# Altium PCB CYAN_EVSE_Power_board_v1.0.PcbDoc
Units mil, origin at the board's own origin, x right, y up, seen from the top; angles counter-clockwise.
Board outline 5708.66 x 2165.35 mil, 2 copper layers (Top Layer, Bottom Layer); 45 components, 21 nets, 134 pads, 7 vias.
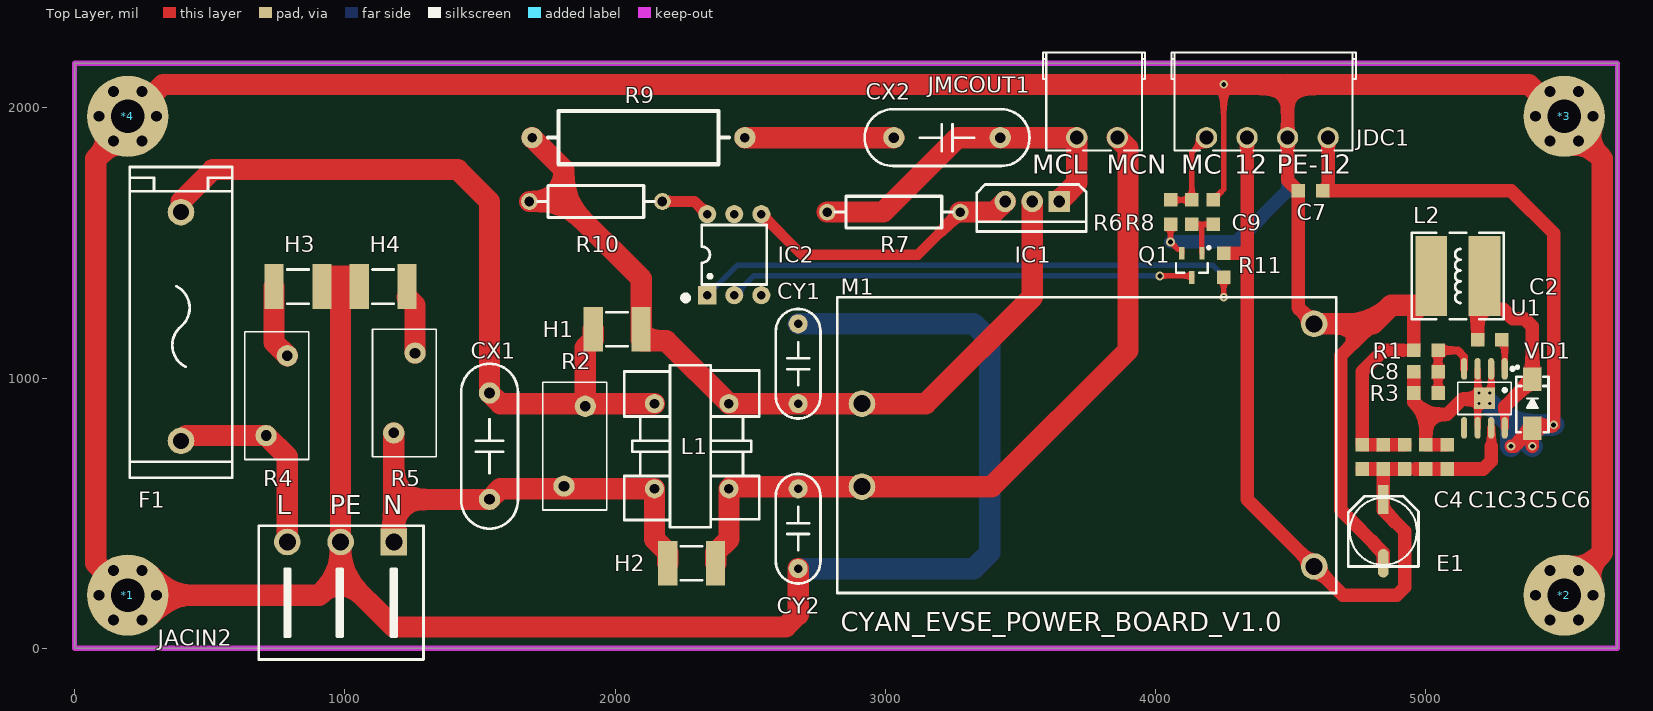
[diagram p0: Top Layer view]
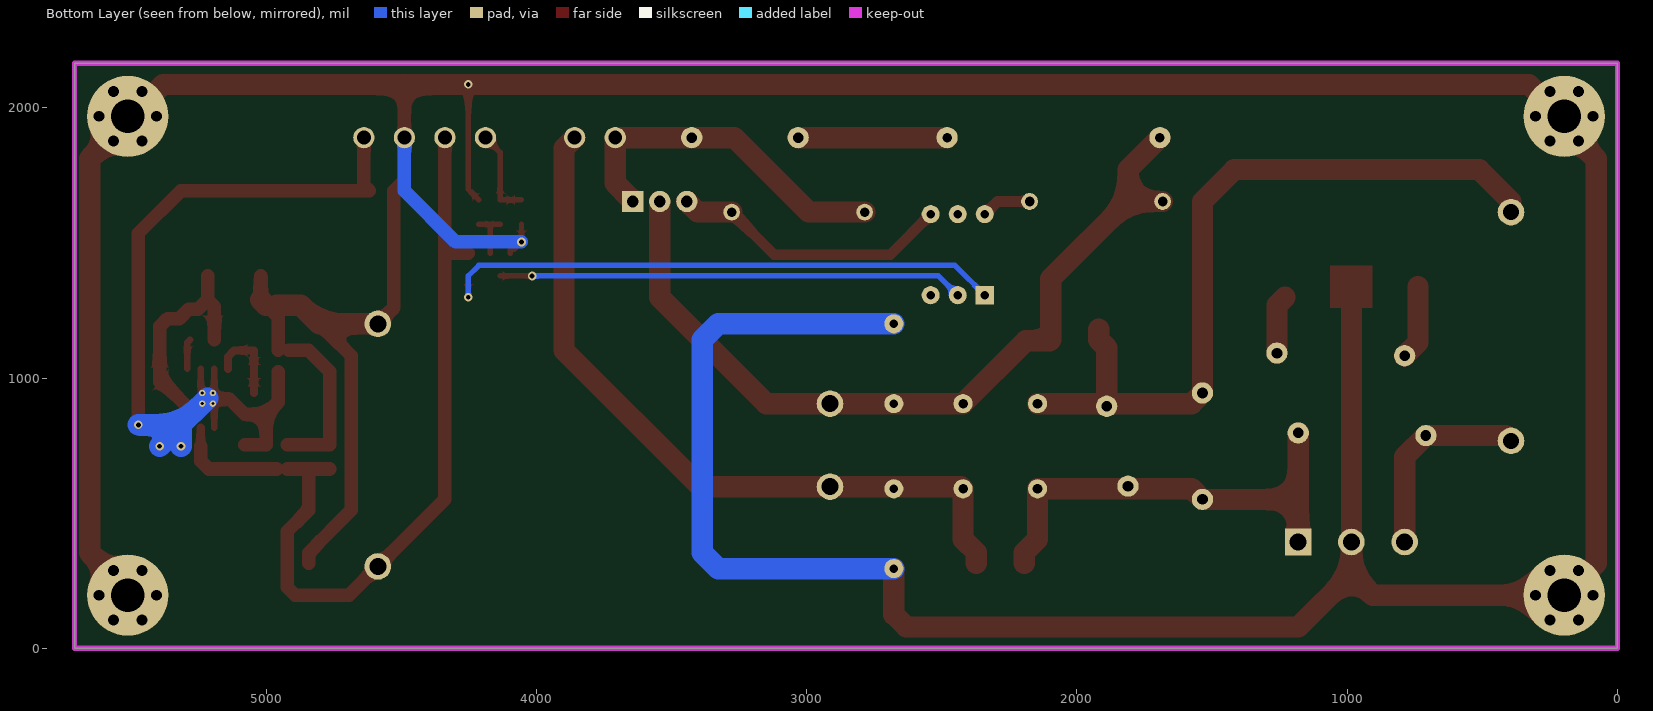
[diagram p1: Bottom Layer view, seen from below]

## Layer stack, top to bottom
Top Solder: solder mask 0.4, Solder Resist, Dk 3.5
Top Layer: signal copper 1.4
Dielectric1: dielectric 12.6, FR-4, Dk 4.8
Bottom Layer: signal copper 1.4
Bottom Solder: solder mask 0.4, Solder Resist, Dk 3.5

## Board outline
0,0 5708.66,0 5708.66,2165.35 0,2165.35

## Design rules (kind name [scope] priority, off if disabled: settings)
Clearance Clearance7mil [All] p1: gap=7 ignorepadtopadclearanceinfootprint=TRUE except(0: Arc-Hole Track-Hole SMDPad-Hole THPad-Hole Via-Hole Fill-Hole Poly-Hole Region-Hole Text-Hole)
ComponentClearance [All] p1: gap=0 collisioncheckmode=3 verticalgap=0 showdistances=FALSE
HoleSize [All] p1: absolutevalues=TRUE maxlimit=999 minlimit=1 maxpercent=80.000 minpercent=20.000
HoleToHoleClearance [All] p1: gap=0 allowstackedmicrovias=TRUE
MinimumSolderMaskSliver [All] p1: minsoldermaskwidth=0
PlaneConnect [All] p1: pad.planeconnectstyle=Relief pad.reliefexpansion=20 pad.reliefentries=4 pad.reliefconductorwidth=15 pad.reliefairgap=10 via.planeconnectstyle=Direct via.reliefexpansion=20 via.reliefentries=4 via.reliefconductorwidth=15 via.reliefairgap=10
PolygonConnect [All] p1: thpad.connectstyle=Relief thpad.reliefconductorwidth=15 thpad.reliefentries=4 thpad.polygonreliefangle="90 Angle" thpad.airgapwidth=10 smdpad.connectstyle=Relief smdpad.reliefconductorwidth=15 smdpad.reliefentries=4 smdpad.polygonreliefangle="90 Angle" smdpad.airgapwidth=10 via.connectstyle=Direct via.reliefconductorwidth=15 via.reliefentries=4 via.polygonreliefangle="90 Angle" via.airgapwidth=10
RoutingVias [All] p1: holewidth=18 width=32 viastyle="Through Hole" minholewidth=12 minwidth=20 maxholewidth=999 maxwidth=999
SilkToSilkClearance [All] p1: silktosilkclearance=0
SilkToSolderMaskClearance SilkscreenOverComponentPads [IsPad] p1: minsilkscreentomaskgap=0 clearancetoexposedcopper=TRUE
SolderMaskExpansion [All] p1: expansion=2 istentingtop=FALSE
Width Width_VCC [All] p1: maxlimit=999 minlimit=6 preferedwidth=8
Width [All] p2: maxlimit=999 minlimit=6 preferedwidth=7
23 further rules are at their usual default settings.

## Components (designator, comment, footprint, x,y, rotation, side; value= is the part's Value field where it differs from the comment)
*1 "M3" "M3 125X300" 196.85,196.85 r180 top
*2 "M3" "M3 125X300" 5511.81,196.85 r180 top
*3 "M3" "M3 125X300" 5511.81,1968.5 r180 top
*4 "M3" "M3 125X300" 196.85,1968.5 r180 top
C1 "C" "C 0805" 4842.52,708.66 r270 top value=100nF
C2 "C" "C 0805" 5236.22,1141.73 r180 top value=100nf
C3 "C" "C 0805" 4921.26,708.66 r270 top value=100nF
C4 "C" "C 0805" 4763.78,708.66 r90 top value=10uF
C5 "C" "C 0805" 5000,708.66 r270 top value=10uF
C6 "C" "C 0805" 5078.74,708.66 r270 top value=100nF
C7 "C" "C 0805" 4572.56,1692.91 r180 top value=10uF
C8 "C" "C 0805" 5000,1023.62 r180 top value=10nf
C9 "C" "C 0805" 4212.6,1614.17 r270 top value=100nF
CX1 "MKP-0.1uF275V" "CX 10*13*11" 1535.43,748.03 r90 top value=0.1uf
CX2 "X1 安规电容" "CX 10*13*11" 3228.35,1889.76 r180 top value=10nf
CY1 "DCF102M26Y5VQ6B" "CY 7.5*8*4" 2677.17,1053.15 r270 top value=1000pf
CY2 "DCF102M26Y5VQ6B" "CY 7.5*8*4" 2677.17,442.91 r90 top value=1000pf
E1 "C-CM" "CM D(6.3*5.4)" 4842.52,433.07 r90 top value=220uf
F1 "5x20/0.5A" "FU BLX-A" 393.7,1190.94 r270 top
H1 "600v-C476571" GDT_SMD_L4.5-W3.2 2007.87,1181.1 r0 top
H2 "600v-C476571" GDT_SMD_L4.5-W3.2 2283.46,314.96 r0 top
H3 "600v-C476571" GDT_SMD_L4.5-W3.2 826.77,1338.58 r0 top
H4 "600v-C476571" GDT_SMD_L4.5-W3.2 1141.73,1338.58 r180 top
IC1 "BTA16_800" TO220A 3543.31,1653.54 r180 top
IC2 "MOC3061" DIP6-300 2440.94,1456.69 r90 top
JACIN2 "HDR-1X3" KF2EDGK5.0-3P_H 1181.1,393.7 r180 top
JDC1 "HDR-1X4" "MC 1,5/ 4-G-3,81" 4638.19,1889.76 r180 top
JMCOUT1 "HDR-1X2" "MC 1,5/ 2-G-3,81" 3858.27,1889.76 r180 top
L1 "15mH" UU9.8 2283.46,748.03 r90 top
L2 "100uH" CD75 5118.11,1377.95 r180 top
M1 "HLK-10M12" PWRM-TH_HLK-10MXX 3750,751.97 r0 top
Q1 "S9014" SOT23-3N 4133.86,1417.32 r180 top
R1 "R" "R 0805" 5000,1102.36 r0 top value=16k
R2 "10d561k" "VDR 10D-7.5" 1850.39,748.03 r90 top value=561
R3 "R" "R 0805" 5000,944.88 r180 top value=1.8k
R4 "10d561k" "VDR 10D-7.5" 748.03,935.04 r270 top value=561
R5 "10d561k" "VDR 10D-7.5" 1220.47,944.88 r270 top value=561
R6 "R" "R 0805" 4055.12,1614.17 r90 top value=10k
R7 "R-CRR" "RS 1/2W" 3031.5,1614.17 r0 top value=360
R8 "R" "R 0805" 4133.86,1614.17 r90 top value=1k
R9 "R-CRR" "RS 2W" 2086.61,1889.76 r0 top value=39
R10 "R-CRR" "RS 1/2W" 1929.13,1653.54 r180 top value=360
R11 "R" "R 0805" 4251.97,1417.32 r90 top value=180
U1 "TPS5430" SOP8_EPAD_VIA 5216.54,925.19 r180 top
VD1 "B340AF-13" SMA 5393.7,905.51 r90 top

## Footprints (in the part's own frame and the unit in brackets; to place one, negate y for a bottom-side part, rotate by r counter-clockwise, add the part's x,y. Pads: shape width x height; smd on the part's side, far side on the other; paste and mask are expansions set on the pad)
"C 0805" [mil] "无极性贴片电容"
  rect 50x50 smd: 1(-45,0) 2(45,0)
  body extent -39,-24 39,24, height 20
CD75 [mm] "7.8*7*5mm（长宽高）"
  rect 3x7.5 smd: 1(-2.5,0) 2(2.5,0)
  silkscreen extent -4.32,-4.06 4.32,4.06, body extent -3.85,-3.5 3.85,3.5, height 5.15
"CM D(6.3*5.4)" [mm] "贴片电解电容，直径6.3mm，高5.4mm"
  rect 2.7x1 smd: 1(3,0)
  oval 2.7x1 smd: 2(-3,0)
  silkscreen extent -3.3,-3.3 3.3,3.3, body extent -3.5,-3.3 3.5,3.3, height 5.4
"CX 10*13*11" [mm] "脚距10mm高13mm厚11mm"
  round 2 hole 1: 1(-5,0) 2(5,0)
  silkscreen extent -7.75,-2.67 7.75,2.67, body extent -6.5,-2.5 6.5,2.5, height 11.02
"CY 7.5*8*4" [mm] "脚距7.5mm，直径8mm，厚4mm"
  round 1.8 hole 0.8: 1(-3.75,0) 2(3.75,0)
  silkscreen extent -5.14,-2.1 5.14,2.1, body extent -4.04,-2 4.04,2, height 8.2
DIP6-300 [mm] "6.8*7.6*3.8(长宽高）"
  rect 1.7x1.7 hole 0.8: 1(-3.81,2.54)
  round 1.7 hole 0.8: 2(-3.81,0) 3(-3.81,-2.54) 4(3.81,-2.54) 5(3.81,0) 6(3.81,2.54)
  silkscreen extent -4.32,-3.05 2.79,4.83, body extent -3.92,-3.43 3.93,3.43, height 4.5
"FU BLX-A" [mm] "BLX-A型保险丝座"
  round 2.5 hole 1.5: 1(-10.75,0) 2(10.75,0)
  silkscreen extent -14.99,-4.83 14.22,4.83, body extent -15.05,-4.75 14.3,4.75, height 13.9
GDT_SMD_L4.5-W3.2 [mm]
  rect 1.8x4.2 smd: 1(-2.25,0) 2(2.25,0)
  silkscreen extent -1,-1.6 1,1.6
KF2EDGK5.0-3P_H [mm] "弯角插拔式端子"
  rect 2.5x2.5 hole 1.6: 1(0,0)
  round 2.5 hole 1.6: 2(5,0) 3(10,0)
  silkscreen extent -2.79,-1.52 12.7,11.05, body extent -2.54,-0.5 12.54,10.8, height 8.5
"M3 125X300" [mil] "M3螺丝孔，孔125Mil，焊盘300Mil"
  round 40 hole 40: 0(-106,0) 0(-53,91.8) 0(-53,-91.8) 0(53,91.8) 0(53,-91.8) 0(106,0)
  round 300 hole 125: 0(0,0)
"MC 1,5/ 2-G-3,81" [mm] "10A 300 V, Pitch 3.81mm, 2 Positions PCB Right Angle Male Header, BC/SC 3.81 Serie"
  round 2 hole 1.3: 1(0,0) 2(3.81,0)
  silkscreen extent -2.61,-8 6.99,1.21, body extent -2.35,-17.45 6.66,1.4, height 8.3
"MC 1,5/ 4-G-3,81" [mm] "10A 300 V, Pitch 3.81mm, 4 Positions PCB Right Angle Male Header, BC/SC 3.81 Serie"
  round 2 hole 1.3: 1(0,0) 2(3.81,0) 3(7.62,0) 4(11.43,0)
  silkscreen extent -2.61,-8 14.73,1.21, body extent -2.35,-16.76 14.28,1.4, height 8.3
PWRM-TH_HLK-10MXX [mm]
  round 2.5 hole 1.6: 1(-21.25,3.9) 2(-21.25,-3.9) 3(21.25,11.4) 4(21.25,-11.4)
  silkscreen extent -23.58,-13.9 23.32,13.9, body extent -23.45,-13.9 23.45,13.9, height 22
"R 0805" [mil] "1/8W贴片电阻"
  rect 50x50 smd: 1(-45,0) 2(45,0)
  body extent -39,-25 39,25, height 20
"RS 1/2W" [mil] "直插色环电阻，脚距12.5mm，直径3mm"
  round 62 hole 35.43: 1(-246.06,0) 2(246.06,0)
  silkscreen extent -217,-59 217,59, body extent -256,-59 256,59, height 122
"RS 2W" [mm] "直插色环电阻，脚距20mm，直径5mm"
  round 2 hole 0.9: 1(10,0) 2(-10,0)
  silkscreen extent -8.5,-2.5 8.5,2.5, body extent -10.4,-2.51 10.4,2.51, height 5.11
SMA [mm] "4.5x2.6*2.2mm（长宽高，不包括引脚）"
  rect 2.2x1.75 smd: 1(-2.3,0) 2(2.3,0)
  silkscreen extent -2.7,-1.52 3.56,1.52, body extent -2.53,-1.3 2.57,1.3, height 2.15
SOP8_EPAD_VIA [mm]
  oval 0.574x2.038 smd: 1(-1.905,-2.769) 2(-0.635,-2.769) 3(0.635,-2.769) 4(1.905,-2.769) 5(1.905,2.769) 6(0.635,2.769) 7(-0.635,2.769) 8(-1.905,2.769)
  round 0.6 hole 0.3: 9(-0.5,0.5) 9(-0.5,-0.5) 9(0.5,0.5) 9(0.5,-0.5)
  rect 2x2 smd: 9(0,0)
  silkscreen extent -2.79,-2.92 2.53,1.52, body extent -2.5,-3 2.5,3, height 1.9
SOT23-3N [mm] "3x1.3x1mm(长宽高)"
  rect 0.5x1.2 smd: 1(-0.95,-1.143) 2(0.95,-1.143) 3(0,1.143)
  silkscreen extent -1.73,-1.78 1.5,0.7, body extent -1.5,-1.2 1.5,1.2, height 1.05
TO220A [mm] "220，3脚晶体管"
  rect 2x2 hole 1.1: 1(-2.54,0)
  round 2 hole 1.1: 2(0,0) 3(2.54,0)
  silkscreen extent -5.08,-1.6 5.21,2.82, body extent -5.15,-1.53 5.15,2.9, height 18.5
UU9.8 [mm] "17*12*17mm(长宽高）"
  round 1.8 hole 0.9: 1(-4,3.5) 2(-4,-3.5) 3(4,-3.5) 4(4,3.5)
  silkscreen extent -7.62,-6.35 7.62,6.35, body extent -8.5,-6 8.5,6, height 17.05
"VDR 10D-7.5" [mm]
  round 2 hole 1: 1(-3.75,1) 2(3.75,-1)
  silkscreen extent -6,-3 6,3

## Part data
*1 *2 *3 *4: "铜柱孔"
C1 C7: "无极性贴片电容", Voltage=25V
C2 C3 C4 C5 C6 C8: "无极性贴片电容", Voltage=50V
C9: "无极性贴片电容", Voltage=20V
CX1: library part C-CX, "X电容", Voltage=10v
CX2: library part C-CX, "X电容", Voltage=440V
CY1 CY2: library part C-CY, "高压陶瓷电容，Y电容", Voltage=250v
E1: "贴片电解电容", Voltage=20V
F1: library part "FU 5x20", "5*20保险丝"
H1 H2 H3 H4: library part GDT, "气体放电管"
IC1: library part BTA12_600, "双向可控硅"
IC2: library part MOC304(6)1, "4(6)00v 带过0检测 光电可控硅 led电流15ma 1.3v", BOM_Manufacturer=FAIRCHILD, BOM_Manufacturer Part=MOC3041M, BOM_Supplier=LCSC, BOM_Supplier Part=C8921, image=//image.lceda.cn/szlcsc/C8921.jpg, spicePre=U, spiceSymbolName=MOC3041M
JACIN2: library part "Header 3", "3P接插件"
JDC1: library part "Header 4", "4P接插件"
JMCOUT1: library part "Header 2", "2P接插件"
L1: library part L-CMC, "共模电感"
L2: library part L-CD, "贴片功率电感"
M1: library part HLK-10MXX, "HILINK 10W AC-DC 模块"
Q1: library part 9014-SMD, "低噪放大-NPN型"
R1 R3 R6 R8 R11: "贴片电阻"
R2 R4 R5: library part R_VDR, "压敏电阻"
R7 R9 R10: "直插色环电阻"
U1: "3A 36v buck控制器，内置fet"
VD1: library part SS14, "肖特基二极管"

## Via types
v1: diameter 32, hole 18, Top Layer to Bottom Layer, tented both sides, 7 vias

## Nets (pads, with @x,y where several pads share a name; then routed paths per layer and width w, separated by ;. In a path a pad name is that pad's centre, name@x,y a point inside that pad or via, vN(x,y) a via of type N, cw(c..) or ccw(c..) an arc to the next point about the centre after c; other vN are vias at no path point)
AC_L: F1.2 JACIN2.3 R4.2 | length 721.6
  Top Layer w78.74: F1.2@413.39,787.4 R4.2 787.4,708.66 JACIN2.3
AC_L_A: CY1.2 H1.2 IC1.2 L1.3 M1.1 R9.2 R10.2 | length 3105.2
  Top Layer w78.74: R10.2 1811.02,1653.54 ; R9.2 1811.02,1771.65 1811.02,1653.54 ; IC1.2 3543.31,1299.21 3149.61,905.51 M1.1 CY1.2 L1.3 2188.98,1137.8 2100.39,1137.8 2096.46,1141.73 H1.2 2096.46,1368.11 1811.02,1653.54
AC_N: CX1.1 H2.1 JACIN2.1 L1.1 R2.1 R5.2 | length 1916.6
  Top Layer w78.74: JACIN2.1 1181.1,551.18 ; R5.2@1181.1,787.4 1181.1,551.18 ; R5.2 1181.1,551.18 ; H2.1 2194.88,354.33 2145.67,403.54 L1.1 1574.8,590.55 CX1.1 1181.1,551.18
AC_N_A: CY2.2 H2.2 JMCOUT1.1 L1.2 M1.2 | length 2788.1
  Top Layer w78.74: H2.2 2372.05,354.33 2421.26,403.54 L1.2 2429.13,598.43 2677.17,598.43 M1.2 3393.7,598.43 3897.64,1102.36 3897.64,1850.39 JMCOUT1.1
AC_PE: *1.0 *2.0 *3.0 *4.0 C1.1 C3.1 C4.2 C7.2 C9.1 CY1.1 CY2.1 E1.2 H3.2 H4.2 JACIN2.2 JDC1.2 L2.2 M1.3 Q1.2 R1.1 R6.1 | length 20054.2
  Top Layer w20: R6.1 v1(4055.12,1503.66) 4082.83,1475.95 4096.3,1475.95 4096.46,1475.79 Q1.2 ; C9.1 4251.97,1698.54 v1(4251.97,2086.61)
  Top Layer w50: 4488.19,2086.61 JDC1.2 4488.19,1732.28 C7.2 4527.56,1259.85 M1.3 ; 4803.15,1200.79 4685.04,1082.68 4685.04,511.81 4842.52,354.33 E1.2 ; 4915.63,1102.36 4842.52,1102.36 4763.78,1023.62 C4.2 C1.1 C3.1 ; R1.1 4955,1226.03 4984.29,1255.32 4985.63,1255.32 5019.68,1289.37 5019.68,1289.51 L2.2
  Top Layer w78.74: *4.0@302.85,1968.5 *4.0@208.99,1968.5 ; 984.25,1377.95 JACIN2.2 984.25,275.59 ; CY2.1 2677.17,124.87 2631.04,78.74 1181.1,78.74 984.25,275.59 ; M1.3 4803.15,1200.79 4872.19,1269.83 L2.2@4960.63,1269.83 ; L2.2@5000,1269.83 L2.2@5019.68,1289.51 ; *3.0@5405.81,1968.5 *3.0@5499.67,1968.5 ; *2.0@5511.81,196.85 5511.81,212.97 5652.45,353.61 5652.45,1811.75 5511.81,1952.39 5511.81,1968.5 *3.0@5499.67,1968.5 ; *4.0@208.99,1968.5 327.1,2086.61 v1(4251.97,2086.61) 4488.19,2086.61 5381.56,2086.61 *3.0@5499.67,1968.5 ; *4.0@208.99,1968.5 196.85,1968.5 196.85,1929.86 78.74,1811.75 78.74,314.96 196.85,196.85 302.85,196.85 905.51,196.85 984.25,275.59
  Bottom Layer w50: v1(4055.12,1503.66) 4298.94,1503.66 4488.19,1692.91 JDC1.2
  Bottom Layer w80: CY2.1 3326.77,295.28 3385.83,354.33 3385.83,1141.73 3326.77,1200.79 CY1.1
MC_AC_L: CX2.1 IC1.1 JMCOUT1.2 R7.1 | length 1271.4
  Top Layer w78.74: R7.1 2992.13,1614.17 3267.72,1889.76 CX2.1 JMCOUT1.2 3708.27,1721.65 IC1.1@3661.42,1674.8
NetC2_1: C2.1 U1.1 | length 111.8
  Top Layer w25: C2.1 5291.54,1131.41 U1.1
NetC2_2: C2.2 L2.1 U1.8 VD1.2 | length 887.1
  Top Layer w30: U1.8 5291.54,882.09
  Top Layer w50: C2.2 5191.22,1264.06 L2.1@5216.54,1289.37 ; L2.1 L2.1@5216.54,1289.37 ; 5291.54,882.09 5291.54,893.9 5375.39,977.76 5384.25,977.76 5393.7,987.2 VD1.2 5393.7,1191.18 5364.41,1220.47 5320.51,1220.47 5285.67,1255.32 5250.59,1255.32 L2.1@5216.54,1289.37
NetC8_1: C8.1 R1.2 R3.1 U1.4 | length 308.5
  Top Layer w30: R3.1 C8.1 R1.2 5118.11,1102.36 5141.54,1078.93 U1.4
NetC9_2: C9.2 Q1.1 R8.1 | length 186.4
  Top Layer w20: R8.1 4173.23,1569.17 ; Q1.1 4171.26,1567.2 4173.23,1569.17 ; C9.2 4173.23,1569.17
NetCX1_2: CX1.2 F1.1 H1.1 L1.4 R2.2 | length 2862.6
  Top Layer w78.74: F1.1@393.7,1653.54 511.81,1771.65 1417.32,1771.65 1535.43,1653.54 CX1.2 1574.8,905.51 R2.2@1889.76,905.51 ; H1.1 1919.29,1141.73 1889.76,1112.21 R2.2@1889.76,905.51 ; L1.4 R2.2@1889.76,905.51
NetCX2_2: CX2.2 R9.1 | length 551.2
  Top Layer w78.74: R9.1 CX2.2
NetH3_1: H3.1 R4.1 | length 276.3
  Top Layer w78.74: H3.1 738.19,1131.89 R4.1
NetH4_1: H4.1 R5.1 | length 218.9
  Top Layer w78.74: H4.1@1230.32,1299.21 1259.84,1269.69 R5.1
NetIC1_3: IC1.3 IC2.4 R7.2 | length 1046
  Top Layer w40: IC2.4 2690.94,1456.69 3120.08,1456.69 R7.2
  Top Layer w78.74: R7.2 3403.94,1614.17 IC1.3
NetIC2_1: IC2.1 R11.1 | length 2125
  Top Layer w20: v1(4251.97,1299.21) R11.1
  Bottom Layer w20: IC2.1 2451.57,1417.32 4212.6,1417.32 4251.97,1377.95 v1(4251.97,1299.21)
NetIC2_2: IC2.2 Q1.3 | length 1722.4
  Top Layer w20: v1(4015.75,1377.95) Q1.3@4133.86,1377.95
  Bottom Layer w20: IC2.2 2512.2,1377.95 v1(4015.75,1377.95)
NetIC2_6: IC2.6 R10.1 | length 185.2
  Top Layer w40: R10.1 2294.09,1653.54 IC2.6
RELAY_EN: JDC1.4 R6.2 R8.2 | length 331.8
  Top Layer w20: R6.2 R8.2 4133.86,1835.43 JDC1.4
VCC12V: C1.2 C3.2 C4.1 C5.2 C6.2 E1.1 JDC1.3 M1.4 R11.2 U1.7 | length 3212.8
  Top Layer w30: 5241.54,748.03 U1.7
  Top Layer w50: R11.2 4332.56,1462.32 4338.19,1456.69 ; JDC1.3 4338.19,1574.8 4338.19,551.58 M1.4 4692.92,196.85 4891.97,196.85 4921.26,226.14 4921.26,433.07 4842.52,511.81 E1.1 C1.2 ; C4.1 C1.2 ; C3.2 C1.2 ; 4960.63,663.66 5212.25,663.66 5241.54,692.95 5241.54,748.03
VCC-12V: C5.1 C6.1 C7.1 C8.2 JDC1.1 R3.2 U1.2 U1.3 U1.6 U1.9 VD1.1 | length 3520
  Top Layer w25: U1.6 5191.54,922.16 U1.3 ; U1.9@5216.54,925.19 5241.54,950.19 U1.2
  Top Layer w50: JDC1.1 4638.19,1713.54 C7.1 5314.96,1692.91 5472.44,1535.43 v1(5472.44,826.77) 5469.08,823.41 5402.15,823.41 VD1.1 VD1.1@5393.7,806.1 ; C8.2 4955,911.14 4958.03,908.11 5000,866.14 ; C6.1 C5.1 5000,866.14 ; U1.9@5216.54,925.19 5213.51,922.16 5191.54,922.16 5134.76,922.16 5078.74,866.14 5000,866.14 ; v1(5314.96,748.03) 5326.77,748.03 5375.39,796.65 5384.25,796.65 VD1.1@5393.7,806.1 ; v1(5393.7,748.03) VD1.1@5393.7,806.1
  Bottom Layer w80: 5216.54,925.19 5236.22,905.51 5314.96,826.77 ; v1(5314.96,748.03) 5314.96,826.77 ; v1(5393.7,748.03) 5314.96,826.77 ; v1(5472.44,826.77) 5314.96,826.77
pads on no net: IC2.3 IC2.5 U1.5

## Keep-outs
Keep-Out Layer:
  the board outline again, w19.68

## Other copper
Top Layer:
  rectangle net AC_PE: 905.51,1259.84 1062.99,1417.32

## Silkscreen, mask and mechanical layers (free items; w line width, h text height)
Top Overlay:
  text "MCL" at 3543.31,1732.28 h120
  text "MCN" at 3818.9,1732.28 h120
  text "MC" at 4094.49,1732.28 h120
  text "12" at 4291.34,1732.28 h120
  text "PE" at 4448.82,1732.28 h120
  text "-12" at 4566.93,1732.28 h120
  text "L" at 748.03,472.44 h120
  text "PE" at 944.88,472.44 h120
  text "N" at 1141.73,472.44 h120
  text "CYAN_EVSE_POWER_BOARD_V1.0" at 2834.65,39.37 h120
Mechanical 1:
  lines w1: 0,0 0,2165.35 5708.66,2165.35 5708.66,0 0,0
  lines w78.74: 590.55,1220.47 590.55,1496.06 669.29,1574.8 1338.58,1574.8 1401.12,1512.27 1401.12,828.72 1481.81,748.03 3267.72,748.03 3740.16,1220.47 3740.16,1417.32 ; 1238.87,178.45 2501.29,178.45 2519.68,196.85 2519.68,354.33 2598.43,433.07 3070.87,433.07

## Text inside footprints (layer, text, board x,y; h text height)
JDC1: Mechanical 14 "4" at 4201.57,1994.09 h39.37 r180; Mechanical 14 "3" at 4351.57,1994.09 h39.37 r180; Mechanical 14 "2" at 4501.57,1994.09 h39.37 r180; Mechanical 14 "1" at 4651.57,1994.09 h39.37 r180
JMCOUT1: Mechanical 14 "2" at 3721.65,1994.09 h39.37 r180; Mechanical 14 "1" at 3871.65,1994.09 h39.37 r180